# KiCad board SparkPNT_GPSDO_panelized.kicad_pcb (continued)
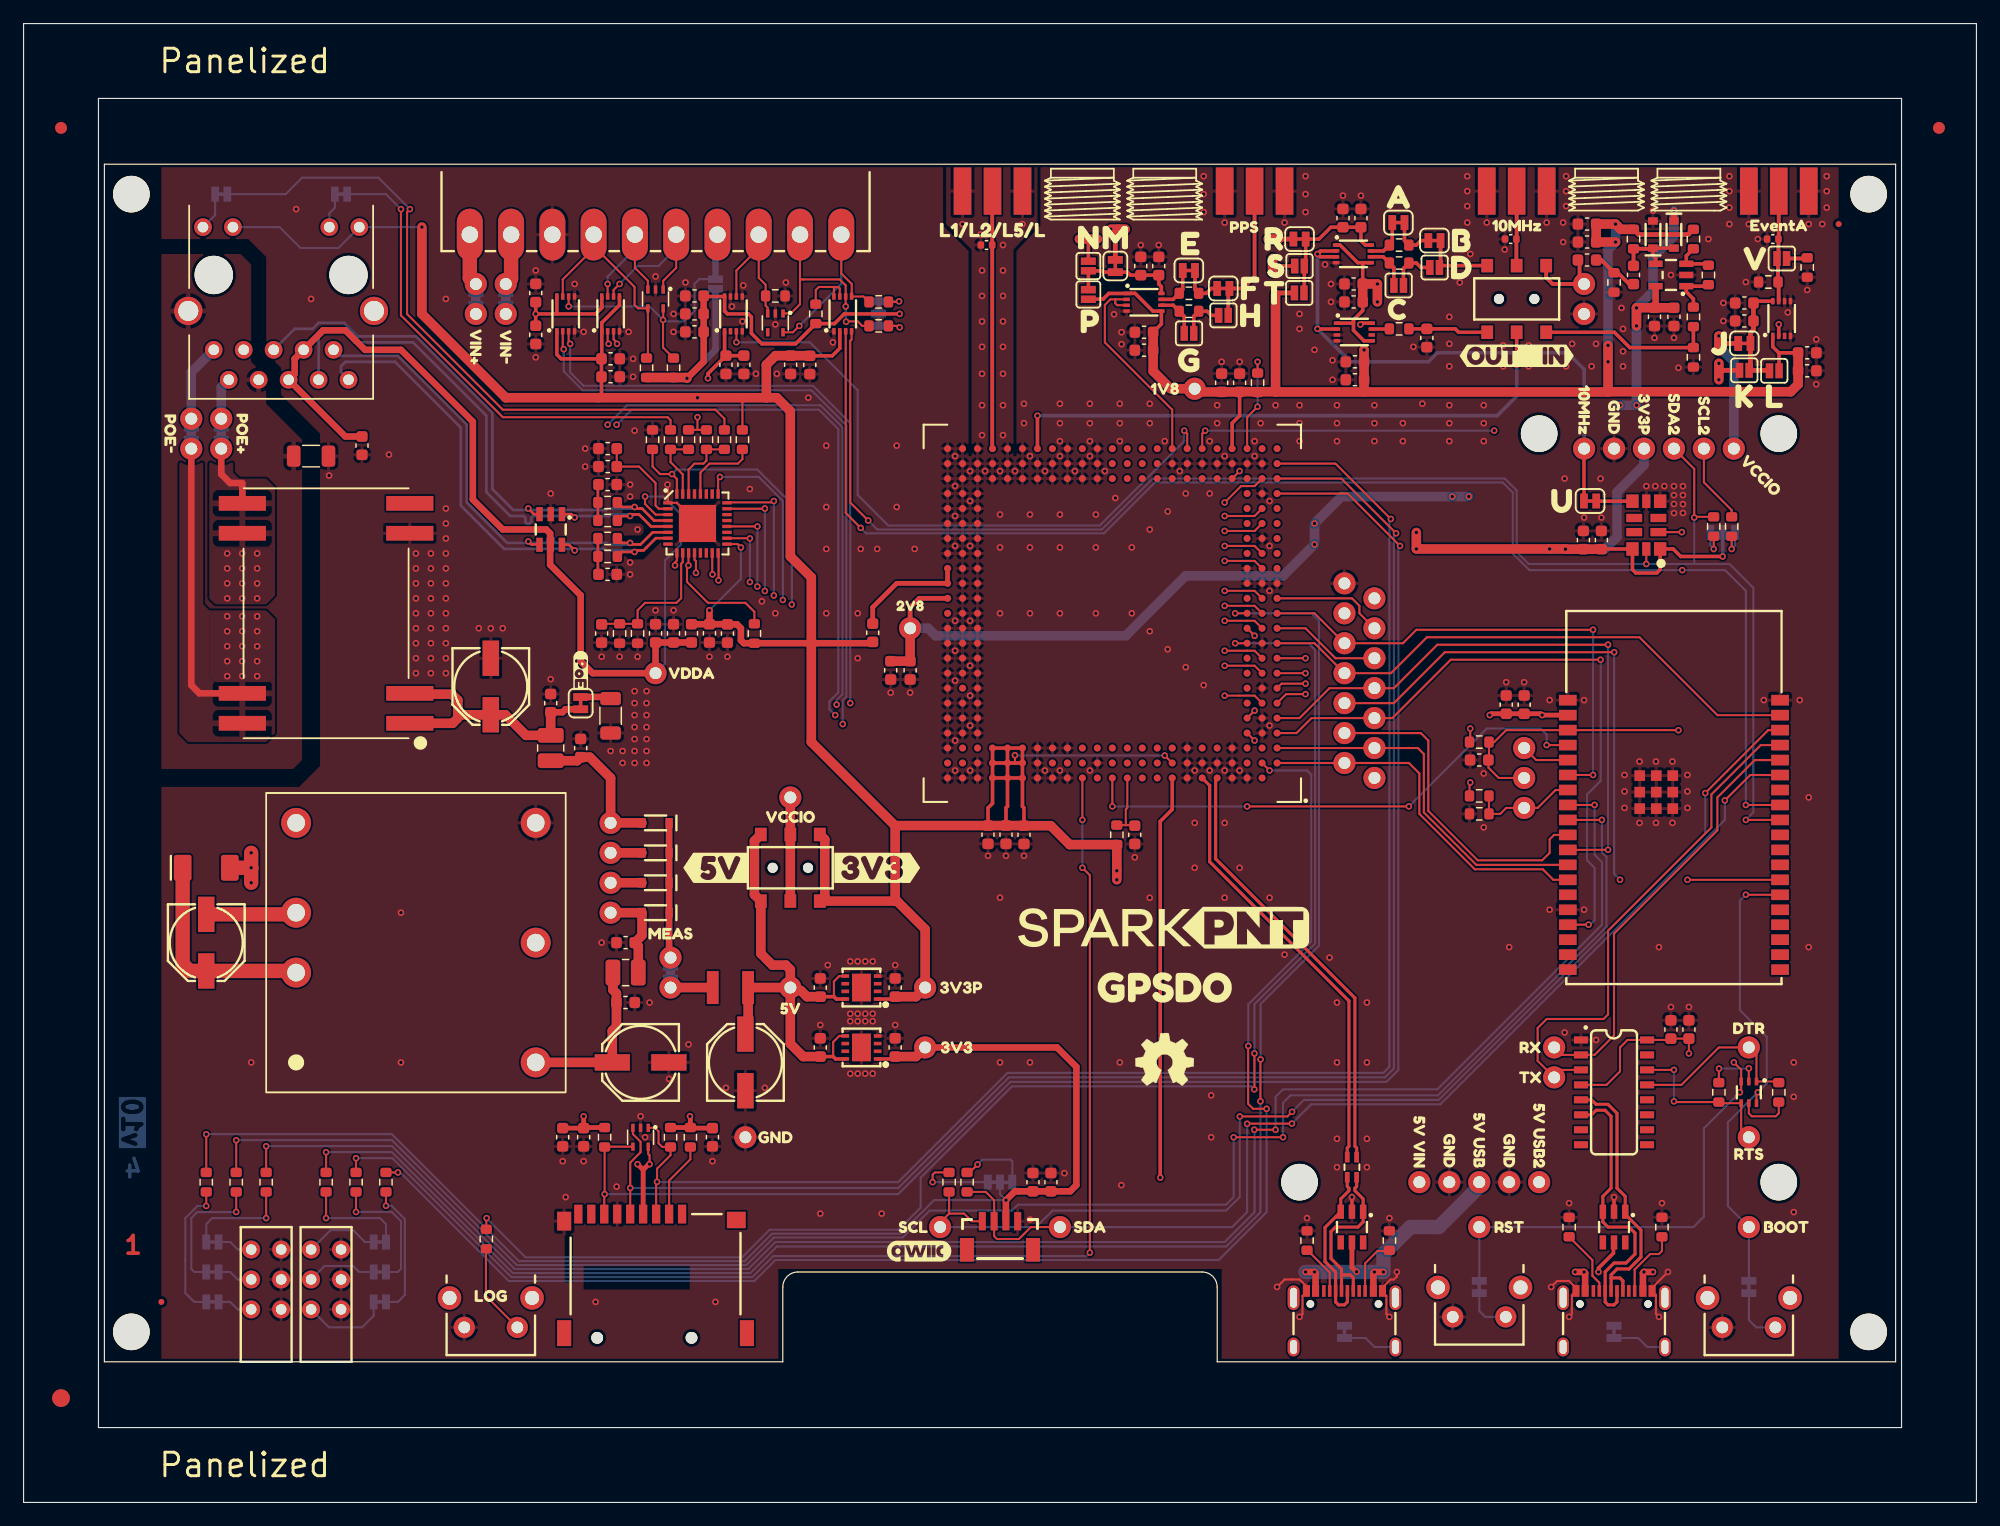
[diagram p0: board, top side]
## Placement (name value [footprint] x y rotation side) (continued)
NOREF  -  [Fiducial_1mm_Mask3mm]  162.43 116.61 0 top
NOREF#2  -  [Fiducial_1.5mm_Mask3mm]  3.17 8.85 0 top
NOREF#3  -  [Fiducial_1mm_Mask3mm]  3.17 116.61 0 top
NOREF#4  -  [Fiducial_1.5mm_Mask3mm]  3.17 8.85 0 bottom
NOREF#5  -  [Fiducial_1mm_Mask3mm]  3.17 116.61 0 bottom
NOREF#6  -  [Fiducial_1mm_Mask3mm]  162.43 116.61 0 bottom
P.1  ~  [Jumper_2_NO]  90.29 102.48 270 top
Q1  MBT3904DW1  [SOT-323]  146.3 34.79 270 top
R1  10k  [R_0603_1608Metric]  123.44 64.51 0 top
R2  10k  [R_0603_1608Metric]  148.84 34.79 90 top
R3  10k  [R_0603_1608Metric]  143.76 34.79 270 top
R4  2.2k  [R_0603_1608Metric]  80.01 27.17 90 top
R5  10k  [R_0603_1608Metric]  104.64 94.99 270 top
R6  2.2k  [R_0603_1608Metric]  78.48 27.17 90 top
R7  1k  [R_0603_1608Metric]  123.44 59.94 0 top
R8  1k  [R_0603_1608Metric]  123.44 58.41 180 top
R9  5.1k  [R_0603_1608Metric]  108.84 22.22 270 top
R10  5.1k  [R_0603_1608Metric]  115.82 22.22 270 top
R11  10k  [R_0603_1608Metric]  92.71 56.63 270 top
R12  470  [R_0603_1608Metric]  20.57 27.17 90 top
R13  470  [R_0603_1608Metric]  18.03 27.17 90 top
R14  5.1k  [R_0603_1608Metric]  138.93 23.36 270 top
R15  5.1k  [R_0603_1608Metric]  131.06 23.36 270 top
R16  100k  [R_0603_1608Metric]  55.11 96.26 90 top
R17  1k  [R_0603_1608Metric]  54.86 90.16 90 top
R18  1k  [R_0603_1608Metric]  59.43 90.16 90 top
R19  49.9  [R_0603_1608Metric]  49.53 80.26 0 top
R20  49.9  [R_0603_1608Metric]  49.53 81.78 0 top
R21  49.9  [R_0603_1608Metric]  49.53 84.83 180 top
R22  49.9  [R_0603_1608Metric]  49.53 83.3 180 top
R23  10k  [R_0603_1608Metric]  60.96 90.16 90 top
R24  10k  [R_0603_1608Metric]  53.34 90.16 90 top
R25  13k  [R_0603_1608Metric]  50.54 73.72 270 top
R26  13k  [R_0603_1608Metric]  52.07 73.72 270 top
R27  10k  [R_0603_1608Metric]  56.54 30.98 90 top
R28  10k  [R_0603_1608Metric]  54.86 30.98 90 top
R29  10k  [R_0603_1608Metric]  49.27 30.98 90 top
R30  33  [R_0603_1608Metric]  116.65 99.56 180 top
R31  2.2k  [R_0603_1608Metric]  143.32 82.79 90 top
R32  2.2k  [R_0603_1608Metric]  144.85 82.79 90 top
R33  4.7k  [R_0603_1608Metric]  61.97 73.72 90 top
R34  4.7k  [R_0603_1608Metric]  57.91 90.16 270 top
R35  4.7k  [R_0603_1608Metric]  56.38 90.16 270 top
R36  49.9  [R_1206_3216Metric]  49.78 66.73 90 top
R37  1k  [R_0603_1608Metric]  39.24 22.34 270 top
R38  470  [R_0603_1608Metric]  15.49 27.17 90 top
R39  470  [R_0603_1608Metric]  25.65 27.17 90 top
R40  470  [R_0603_1608Metric]  28.19 27.17 90 top
R41  100k  [R_0603_1608Metric]  52.83 96.26 90 top
R42  470  [R_0603_1608Metric]  30.73 27.17 90 top
R43  100k  [R_0603_1608Metric]  147.95 103.53 180 top
R44  100k  [R_0603_1608Metric]  63.75 102.35 0 top
R45  49.9  [R_0603_1608Metric]  98.82 102.58 180 top
R46  49.9  [R_0603_1608Metric]  116.65 106.67 180 top
R47  49.9  [R_0603_1608Metric]  151.25 104.77 90 top
R48  49.9  [R_0603_1608Metric]  98.82 101.05 180 top
R49  49.9  [R_0603_1608Metric]  116.65 105.15 180 top
R50  49.9  [R_0603_1608Metric]  134.87 103.5 90 top
R52  100k  [R_0603_1608Metric]  142.87 104.13 90 top
R53  200k  [R_0603_1608Metric]  67.18 100.83 270 top
R54  2.2k  [R_0603_1608Metric]  72.51 101.85 0 top
R55  2.2k  [R_0603_1608Metric]  72.51 99.81 0 top
R56  1k  [R_0603_1608Metric]  136.52 107.18 270 top
R57  1k  [R_0603_1608Metric]  141.6 107.18 270 top
R58  1k  [R_0603_1608Metric]  141.6 100.58 90 top
R59  1k  [R_0603_1608Metric]  141.6 97.15 90 top
R.1  ~  [Jumper_2_NC_Trace]  108.2 107.18 180 top
Ref**  Val**  [OSHW_Logo_5mm]  96.77 37.33 0 top
S.1  ~  [Jumper_2_NO]  108.2 104.89 180 top
ST1  -  [Standoff]  156.46 110.99 0 top
ST2  -  [Standoff]  9.14 110.99 0 top
ST3  -  [Standoff]  156.46 14.47 0 top
ST4  -  [Standoff]  9.14 14.47 0 top
ST5  -  [Standoff]  148.84 90.67 0 top
ST6  -  [Standoff]  128.52 90.67 0 top
ST7  -  [Standoff]  108.2 27.17 0 top
ST8  -  [Standoff]  148.84 27.17 0 top
SW1  PTH_RA_h7.5mm  [Push_PTH_RA_8-020_h7.5mm]  123.44 15.74 0 top
SW2  PTH_RA_h7.5mm  [Push_PTH_RA_8-020_h7.5mm]  146.3 14.85 0 top
SW3  PTH_RA_h7.5mm  [Push_PTH_RA_8-020_h7.5mm]  39.62 14.85 0 top
SW4  DPDT_Slide_SMD_7.2x3.5mm  [Slide_DPDT_SMD_7.2x3.5mm]  65.02 53.84 90 top
SW5  DPDT_Slide_SMD_7.2x3.5mm  [Slide_DPDT_SMD_7.2x3.5mm]  126.62 102.1 90 top
T.1  ~  [Jumper_2_NO]  108.17 102.61 180 top
TP1  PTH  [1x01]  127.25 61.46 0 top
TP2  PTH  [1x01]  49.78 50.03 0 top
TP3  PTH  [1x01]  49.78 57.65 0 top
TP4  PTH  [1x01]  65.02 43.68 0 top
TP5  PTH  [1x01]  76.45 38.6 180 top
TP6  PTH  [1x01]  61.21 30.98 0 top
TP7  PTH  [1x01]  76.45 43.68 0 top
TP8  PTH  [1x01]  49.78 55.11 0 top
TP9  PTH  [1x01]  49.78 52.57 0 top
TP10  PTH  [1x01]  112.01 65.27 0 top
TP11  PTH  [1x01]  112.01 67.81 0 top
TP12  PTH  [1x01]  112.01 62.73 0 top
TP13  PTH  [1x01]  114.55 66.54 0 top
TP14  PTH  [1x01]  114.55 64 0 top
TP15  PTH  [1x01]  114.55 69.08 0 top
TP16  PTH  [1x01]  112.01 70.35 0 top
TP17  PTH  [1x01]  112.01 72.89 0 top
TP18  PTH  [1x01]  114.55 71.62 0 top
TP19  PTH  [1x01]  114.55 74.16 0 top
TP20  PTH  [1x01]  114.55 76.7 0 top
TP21  PTH  [1x01]  112.01 75.43 0 top
TP22  PTH  [1x01]  99.31 94.48 0 top
TP23  PTH  [1x01]  53.59 70.35 0 top
TP24  PTH  [1x01]  127.25 58.92 0 top
TP25  PTH  [1x01]  77.72 23.36 0 top
TP26  PTH  [1x01]  87.88 23.36 0 top
TP27  PTH  [1x01]  142.49 89.4 0 top
TP28  PTH  [1x01]  139.95 89.4 0 top
TP29  PTH  [1x01]  114.55 61.46 0 top
TP30  PTH  [1x01]  112.01 77.97 0 top
TP31  PTH  [1x01]  137.41 89.4 0 top
TP32  PTH  [1x01]  134.87 89.4 0 top
TP33  PTH  [1x01]  132.33 89.4 0 top
TP34  PTH  [1x01]  129.79 38.6 0 top
TP35  PTH  [1x01]  129.79 36.06 90 top
TP36  PTH  [1x01]  146.3 23.36 0 top
TP37  PTH  [1x01]  123.44 23.36 0 top
TP38  PTH  [1x01]  146.3 38.6 0 top
TP39  PTH  [1x01]  146.3 30.98 0 top
TP40  PTH  [1x01]  65.02 59.81 0 top
TP41  PTH  [1x01]  75.18 74.16 0 top
TP42  PTH  [1x01]  132.33 103.37 0 top
TP43  PTH  [1x01]  127.25 64 0 top
TP44  PTH  [1x01]  132.33 100.83 0 top
TP45  PTH  [1x01]  118.36 27.17 0 top
TP46  PTH  [1x01]  123.44 27.17 0 top
TP47  PTH  [1x01]  128.52 27.17 0 top
TP48  PTH  [1x01]  145.03 89.4 0 top
TP49  PTH  [1x01]  125.98 27.17 0 top
TP50  PTH  [1x01]  120.9 27.17 0 top
TR1  -  [RFCMF1220100M4T]  112.65 28.44 90 top
U1  ESP32-WROVER-IE-N16R8  [ESP32-WROVER-E-IE]  139.95 60.26 90 top
U2  mosaic-T  [MOSAIC_LGA]  92.32 75.43 0 top
U3  CH340C  [SO-16]  134.87 34.79 0 top
U4  KSZ8041NL/I  [QFN-32]  57.15 83.05 0 top
U5  AP7361C-3.3V  [UDFN-8]  71.05 43.68 180 top
U6  REC15E-2405SZ  [REC15E]  33.27 47.49 0 top
U7  Ag9905M  [Ag9900M]  25.65 75.43 90 top
U8  74LVC2T45DC  [VSSOP8_SOT765-1]  49.78 100.83 90 top
U9  74LVC2T45DC  [VSSOP8_SOT765-1]  45.97 100.83 90 top
U10  74LVC2T45DC  [VSSOP8_SOT765-1]  149.08 100.44 90 top
U11  AP7361C-3.3V  [UDFN-8]  71.05 38.6 180 top
U12  74LVC2T45DC  [VSSOP8_SOT765-1]  60.19 100.83 90 top
U13  SiT5358AI-FS033IT-10.000000  [Ceramic_QFN_5.0x3.2mm-10]  137.61 82.92 90 top
U14  74LVC2T45DC  [VSSOP8_SOT765-1]  112.85 99.29 0 top
U15  74LVC2T45DC  [VSSOP8_SOT765-1]  112.77 105.92 0 top
U16  74LVC2T45DC  [VSSOP8_SOT765-1]  95.01 101.82 0 top
U17  LMV7219M5  [SOT23-5]  139.7 104.13 180 top
U18  PCA9306  [VSSOP8_SOT765-1]  69.47 100.83 90 top
U.1  ~  [Jumper_2_NC_Trace]  132.84 84.96 180 top
V.1  ~  [Jumper_2_NO]  149.09 105.53 180 top

## Library data of the parts
A.1 B.1 E.1 F.1 J.1 JP2-JP13 JP16-JP21 M.1 R.1 U.1 = -: Description: Solder Jumper, 2-pole, closed/bridged; ki_fp_filters: SolderJumper*Bridged*
C1 = -: Datasheet: https://cdn.sparkfun.com/assets/8/a/4/a/5/Kemet_Capacitor_Datasheet.pdf; Description: Unpolarized capacitor; PROD_ID: CAP-11015; Voltage: 6.3V; Tolerance: 20%; ki_fp_filters: C_*
C2 C3 C5 C10-C12 C14 C17 C19 C23 C26 C28 C40 C42 C44 C46 C48 C50 C51 C57 C60 C62 C63 C66-C70 C74 = -: Datasheet: https://cdn.sparkfun.com/assets/8/a/4/a/5/Kemet_Capacitor_Datasheet.pdf; Description: Unpolarized capacitor; PROD_ID: CAP-00810; Voltage: 25V; Tolerance: 20%; ki_fp_filters: C_*
C4 C13 C16 C18 C24 C31 C39 C41 C43 C45 C49 C52 C54 C56 C59 C61 C64 C65 C71-C73 = -: Datasheet: https://cdn.sparkfun.com/assets/8/a/4/a/5/Kemet_Capacitor_Datasheet.pdf; Description: Unpolarized capacitor; PROD_ID: CAP-07888; Voltage: 10V; Tolerance: 20%; ki_fp_filters: C_*
C6 C32 C36 = -: Datasheet: https://www.chemi-con.co.jp/products/relatedfiles/capacitor/catalog/MVARA-e.PDF; Description: Polarized capacitor, US symbol, 0.248" Dia x 0.303" H, Electrolitic; PROD_ID: CAP-12547; Voltage: 25V; Tolerance: 20%; ki_fp_filters: CP_*
C7 C8 C20-C22 = -: Datasheet: https://cdn.sparkfun.com/assets/8/a/4/a/5/Kemet_Capacitor_Datasheet.pdf; Description: Unpolarized capacitor; PROD_ID: CAP-13930; Voltage: 16V; Tolerance: 10%; ki_fp_filters: C_*
C9 = -: Datasheet: https://www.johansondielectrics.com/downloads/catalog/johanson-dielectrics-product-catalog.pdf; Description: Unpolarized capacitor; PROD_ID: CAP-16238; Voltage: 2kV; Tolerance: 10%; Temperature Coefficient: X7R; ki_fp_filters: C_*
C15 = -: Datasheet: https://cdn.sparkfun.com/assets/8/a/4/a/5/Kemet_Capacitor_Datasheet.pdf; Description: Unpolarized capacitor; PROD_ID: CAP-07883; Voltage: 50V; Tolerance: 10%; ki_fp_filters: C_*
C25 C27 C30 C33 C34 C37 C38 C47 C53 = -: Datasheet: https://cdn.sparkfun.com/assets/8/a/4/a/5/Kemet_Capacitor_Datasheet.pdf; Description: Unpolarized capacitor; PROD_ID: CAP-20155; Voltage: 10V; Tolerance: 20%; ki_fp_filters: C_*
C29 = -: Datasheet: https://cdn.sparkfun.com/assets/8/a/4/a/5/Kemet_Capacitor_Datasheet.pdf; Description: Unpolarized capacitor; PROD_ID: CAP-14464; Voltage: 6.3V; Tolerance: 20%; ki_fp_filters: C_*
C35 = -: Datasheet: https://www.chemi-con.co.jp/products/relatedfiles/capacitor/catalog/MVARA-e.PDF; Description: Polarized capacitor, US symbol, 0.248" Dia x 0.303" H, Electrolitic; PROD_ID: CAP-10547; Voltage: 50V; Tolerance: 20%; ki_fp_filters: CP_*
C55 = -: Datasheet: https://cdn.sparkfun.com/assets/8/a/4/a/5/Kemet_Capacitor_Datasheet.pdf; Description: Unpolarized capacitor; PROD_ID: CAP-10142; Voltage: 50V; Tolerance: 5%; ki_fp_filters: C_*
C75 C76 = -: Datasheet: https://cdn.sparkfun.com/assets/8/a/4/a/5/Kemet_Capacitor_Datasheet.pdf; Description: Unpolarized capacitor; PROD_ID: CAP-07886; Voltage: 50V; Tolerance: 10%; ki_fp_filters: C_*
C.1 D.1 G.1 H.1 JP15 K.1 L.1 N.1 P.1 S.1 T.1 V.1 = -: Description: Solder Jumper, 2-pole, open; ki_fp_filters: SolderJumper*Open*
D1 D15 D17 = -: Datasheet: https://www.littelfuse.com/~/media/electronics/product_specifications/polymer_esd_suppressors/littelfuse_polymer_esd_suppressor_pesd0402_140_product_specification.pdf.pdf; Description: Bidirectional transient-voltage-suppression diode; PROD_ID: DIO-15359; ki_fp_filters: TO-???* *_Diode_* *SingleDiode* D_*
D2 D3 D6 = -: Datasheet: https://www.diodes.com/assets/Datasheets/DT1042-04SO.pdf; Description: Very low capacitance ESD protection diode, 4 data-line, SOT-23-6; PROD_ID: IC-13538; ki_fp_filters: SOT?23*
D4 D5 D9 D10 = -: Datasheet: https://www.infineon.com/dgdl/bat60aseries.pdf?folderId=db3a304313d846880113def5812204a1&fileId=db3a304313d846880113def70c9304a9; Description: Schottky diode; PROD_ID: DIO-14072; IMax: 3A; VDrop: 0.28V; VMax: 10V; ki_fp_filters: TO-???* *_Diode_* *SingleDiode* D_*
D7 D13 D14 = -: Datasheet: https://toshiba.semicon-storage.com/info/DF5A5.6LFU_datasheet_en_20140301.pdf?did=22260&prodName=DF5A5.6LFU; Description: Low capacitance microSD unidirectional quadruple ESD protection diode array, 3.3V, Common Anode, SOT-353; PROD_ID: DIO-20454; ki_fp_filters: SOT?353*
D8 = -: Datasheet: https://www.smc-diodes.com/propdf/SK34A%20N0103%20REV.C.pdf; Description: Schottky diode; PROD_ID: DIO-14989; IMax: 3A; VDrop: 0.55V; VMax: 40V; ki_fp_filters: TO-???* *_Diode_* *SingleDiode* D_*
D11 D12 = -: Datasheet: https://www.mouser.com/datasheet/2/244/SSF-LXH340LYGID-1176757.pdf; Description: Triple CBI LED, 3mm dia., PTH, Yellow-Green-Red; PROD_ID: DIO-19990
D16 D18 = -: Datasheet: https://assets.nexperia.com/documents/data-sheet/BAS16J.pdf; Description: Diode; PROD_ID: DIO-09646; VMax: 100V; IRev: 0.5μA; ki_fp_filters: TO-???* *_Diode_* *SingleDiode* D_*
F1 = -: Datasheet: https://www.belfuse.com/resources/datasheets/circuitprotection/ds-cp-0zch-series.pdf; Description: Resettable fuse 2A; PROD_ID: RES-14313; ki_fp_filters: *polyfuse* *PTC*
FID1-FID4 = -: Description: Fiducial Marker; ki_fp_filters: Fiducial*
J1 J3 J8 J12 = -: Datasheet: https://www.sparkfun.com/datasheets/Wireless/Antenna/SMA-Connector.pdf; Description: SMA PCB Edge Mount connector; PROD_ID: CONN-08289; ki_fp_filters: *BNC* *SMA* *SMB* *SMC* *Cinch* *LEMO*
J2 J4 = -: Datasheet: https://www.usb.org/sites/default/files/documents/usb_type-c.zip; Description: USB 2.0-only Type-C Receptacle connector; PROD_ID: CONN-14122; ki_fp_filters: USB*C*Receptacle*
J5 = -: Datasheet: https://cdn.sparkfun.com/assets/b/f/e/c/e/LPJ0284GDNL.pdf; Description: Ethernet RJ45 with magnetics and Power-over-Ethernet; PROD_ID: CONN-16253
J6 = -: Datasheet: https://cdn.sparkfun.com/assets/a/d/6/0/8/microSD_Datasheet_msd-1-a.pdf; Description: Micro SD socket External Pin; PROD_ID: CONN-16110; ki_fp_filters: microSD*
J7 = -: Datasheet: https://www.jst-mfg.com/product/pdf/eng/eSH.pdf; Description: 4 pin JST 1mm polarized connector for I2C; PROD_ID: CONN-14483; ki_fp_filters: Connector*:*_1x??_*
J9 = -: Datasheet: https://cdn.sparkfun.com/assets/b/9/7/3/6/19854.pdf; Description: Screw cage terminal, single row; PROD_ID: CONN-17279; ki_fp_filters: TerminalBlock*:*
JP1 JP14 JP22 = -: Description: Solder Jumper, 3-pole, pins 1+2+3 closed/bridged; ki_fp_filters: SolderJumper*Bridged123*
L1 L2 = -: Datasheet: http://www.murata.com/en-global/api/pdfdownloadapi?cate=luNoiseSupprFilteChipFerriBead&partno=BLM18PG471SN1%23; Description: Inductor; PROD_ID: NDUC-12579; Frequency: 100MHz; ki_fp_filters: Choke_* *Coil* Inductor_* L_*
L3 L4 = -: Datasheet: https://mm.digikey.com/Volume0/opasdata/d220001/medias/docus/38/CIGW252010EH4R7MNE_Spec.pdf; Description: Inductor; PROD_ID: NDUC-14880; Current: 1.4A; ki_fp_filters: Choke_* *Coil* Inductor_* L_*
Q1 = -: Datasheet: https://assets.nexperia.com/documents/data-sheet/BC846BS.pdf; Description: 100mA IC, 65V Vce, Dual NPN/NPN Transistors, SOT-363; PROD_ID: TRANS-13337; ki_fp_filters: SOT?363*
R1-R3 R5 R11 R23 R24 R27-R29 = -: Datasheet: https://www.vishay.com/docs/20035/dcrcwe3.pdf; Description: Resistor; PROD_ID: RES-00824; ki_fp_filters: R_*
R4 R6 R31 R32 R54 R55 = -: Datasheet: https://www.vishay.com/docs/20035/dcrcwe3.pdf; Description: Resistor; PROD_ID: RES-08272; ki_fp_filters: R_*
R7 R8 R17 R18 R37 R56-R59 = -: Datasheet: https://www.vishay.com/docs/20035/dcrcwe3.pdf; Description: Resistor; PROD_ID: RES-07856; ki_fp_filters: R_*
R9 R10 R14 R15 = -: Datasheet: https://www.vishay.com/docs/20035/dcrcwe3.pdf; Description: Resistor; PROD_ID: RES-12083; ki_fp_filters: R_*
R12 R13 R38-R40 R42 = -: Datasheet: https://www.vishay.com/docs/20035/dcrcwe3.pdf; Description: Resistor; PROD_ID: RES-07869; ki_fp_filters: R_*
R16 R41 R43 R44 R52 = -: Datasheet: https://www.vishay.com/docs/20035/dcrcwe3.pdf; Description: Resistor; PROD_ID: RES-07828; ki_fp_filters: R_*
R19-R22 R45-R50 = -: Datasheet: https://www.vishay.com/docs/20035/dcrcwe3.pdf; Description: Resistor; PROD_ID: RES-16237; Wattage: 0.5W; Tolerance: 1%; ki_fp_filters: R_*
R25 R26 = -: Datasheet: https://www.vishay.com/docs/20035/dcrcwe3.pdf; Description: Resistor; PROD_ID: RES-14017; ki_fp_filters: R_*
R30 = -: Datasheet: https://www.vishay.com/docs/20035/dcrcwe3.pdf; Description: Resistor; PROD_ID: RES-08270; ki_fp_filters: R_*
R33-R35 = -: Datasheet: https://www.vishay.com/docs/20035/dcrcwe3.pdf; Description: Resistor; PROD_ID: RES-07857; ki_fp_filters: R_*
R36 = -: Datasheet: https://www.seielect.com/catalog/sei-rncp.pdf; Description: Resistor; PROD_ID: RES-16252; Wattage: 0.5W; Tolerance: 1%; ki_fp_filters: R_*
R53 = -: Datasheet: https://www.vishay.com/docs/20035/dcrcwe3.pdf; Description: Resistor; PROD_ID: RES-09385; ki_fp_filters: R_*
ST1-ST8 = -: Description: Drill holes for mechanically mounting via screws, standoffs, etc.; ki_fp_filters: Fiducial*
SW1-SW3 = -: Description: Single Pole Single Throw (SPST) switch; PROD_ID: SWCH-13896; Mfg Part#: 8-020 TS H = 7.5mm
SW4 SW5 = -: Datasheet: https://www.sparkfun.com/datasheets/Components/SW_slide_ayz.pdf; Description: Switch dual pole double throw; PROD_ID: SWCH-08179; Mfg Part#: ABC; ki_fp_filters: SW*DPDT*
TP1-TP50 = -: Description: Test Point; ki_fp_filters: Pin* Test*
TR1 = -: Datasheet: http://www.passivecomponent.com/wp-content/uploads/2018/10/RF-Filter.pdf; Description: USB Transformer; PROD_ID: COMP-19495
U1 = -: Datasheet: https://www.espressif.com/sites/default/files/documentation/esp32-wrover-e_esp32-wrover-ie_datasheet_en.pdf; PROD_ID: IC-19265; ki_fp_filters: ESP32?WROOM?32*
U2 = -: Datasheet: https://docs.sparkfun.com/SparkFun_RTK_mosaic-X5/assets/component_documentation/Mosaic%20Hardware%20Manual_v1.8.0.pdf; Description: Tri-band GNSS receiver; PROD_ID: GPS-22762
U3 = -: Datasheet: https://datasheet.lcsc.com/szlcsc/Jiangsu-Qin-Heng-CH340C_C84681.pdf; Description: USB serial converter, UART, SOIC-16; PROD_ID: IC-14038; ki_fp_filters: SOIC*3.9x9.9mm*P1.27mm*
U4 = -: Datasheet: https://ww1.microchip.com/downloads/aemDocuments/documents/UNG/ProductDocuments/DataSheets/KSZ8041NL-RNL-Data-Sheet-DS00002245.pdf; Description: The KSZ8041NL is a single supply 10BASE-T/100BASE-TX physical layer transceiver, which provides MII/RMII interfaces to transmit and receive data.; PROD_ID: IC-19428
U5 U11 = -: Datasheet: https://www.diodes.com/assets/Datasheets/AP7361C.pdf; Description: 1A low dropout linear regulator, with enable pin, 2.2-6.0V input, 3.3V output, UDFN-8; PROD_ID: VREG-14094; VMax: 6V; Ityp: 1.0A; Imax: 1.5A; Iq: 60µA; ki_fp_filters: SOT?23?5*
U6 = -: Datasheet: https://g.recomcdn.com/media/Datasheet/pdf/.fX2aue-W/.tb5cc79728e7bdacded41/Datasheet-81/REC15E-Z.pdf; Description: The REC15E-Z series are 4:1 wide input voltage range 15W power DC/DC converters in a 1”x1” case. Despite their low cost, the converters are fully specified devices with output currents up to 4 Amps,no minimum load, 1.6kVDC isolation, high efficiency and low ripple/noise figures.; Input Voltage (VDC): 9-36; Output Voltage (VDC): 5; Output Current (mA): 3000; PROD_ID: COMP-19263
U7 = -: Datasheet: https://cdn.sparkfun.com/assets/6/9/b/9/7/Ag9900M-datasheet-ultra-miniature-isolated-Power-over-Ethernet-POE-module.pdf; Description: The Ag9900 Power-over-Ethernet (PoE) modules are the smallest POE solution in the world and designed to extract power from a conventional twisted pair Category 5 Ethernet cable, conforming to the IEEE 802.3af PoE standard.; Input Voltage (VDC): 36-57; Output Voltage (VDC): 5; Output Current (mA): 1800; Minimum Load (mA): 200; PROD_ID: IC-16251
U8-U10 U12 U14-U16 = -: Datasheet: https://assets.nexperia.com/documents/data-sheet/74LVC_LVCH2T45.pdf; Description: Dual supply translating transceiver, 3-state, 2-bit, VSSOP-8; PROD_ID: IC-19989; DIR1: A <= B : DIR = GND; DIR2: A => B : DIR = VCCA; ki_fp_filters: VSSOP*2.3x2mm*P0.5mm*
U13 = -: Datasheet: https://www.sitime.com/support/resource-library/datasheets/sit5358-datasheet; Description: The SiT5358 is a precision MEMS Super-TCXO optimized for ±50 ppb stability from -40°C to 105°C.; PROD_ID: XTAL-22764
U17 = -: Datasheet: https://www.ti.com/lit/ds/symlink/lmv7219.pdf; Description: Single Low-Power High-Speed Push-Pull Output Comparator, SOT-23-5; PROD_ID: IC-23719; ki_fp_filters: SOT?23*
U18 = -: Datasheet: http://www.ti.com/lit/ds/symlink/pca9306.pdf; Description: Dual bidirectional I2C Bus and SMBus voltage level translator; PROD_ID: IC-14450; ki_fp_filters: SSOP*2.95x2.8mm*P0.65mm* VSSOP*2.3x2mm*P0.5mm* X2SON*1.4x1mm*P0.35mm*

## Footprints (pads in the part's own frame, mm; a bottom-side part is the same pattern mirrored in y, then rotated)
1x01
  round 1.88 hole 1.016: 1(0,0)
1008_2520Metric
  rrect 1.25x2.2 smd: 1(-1.075,0) 2(1.075,0)
1210
  rect 1x2.8 smd: 1(-1.5,0) 2(1.5,0)
Ag9900M
  rect 1.25x4 smd: 1(-9.33,-7.1) 2(-6.79,-7.1) 3(6.79,-7.1) 4(9.33,-7.1) 5(9.33,7.1) 6(6.79,7.1) 7(-6.79,7.1) 8(-9.33,7.1)
C_0402_1005Metric
  rrect 0.56x0.62 smd: 1(-0.48,0) 2(0.48,0)
C_0603_1608Metric
  rrect 0.9x0.95 smd: 1(-0.775,0) 2(0.775,0)
C_1206_3216Metric
  rrect 1.15x1.8 smd: 1(-1.475,0) 2(1.475,0)
CBI_LED_Triple_3mm_PTH
  round 1.524 hole 0.889: ANODE_1(-1.27,9.525) ANODE_2(-1.27,6.985) ANODE_3(-1.27,4.445) CATHODE_1(1.27,9.525) CATHODE_2(1.27,6.985) CATHODE_3(1.27,4.445)
Ceramic_QFN_5.0x3.2mm-10
  rect 1.15x1.05 smd: 1(-2.025,-1.175) 4(2.025,-1.175) 6(2.025,1.175) 9(-2.025,1.175)
  rect 0.7x1.35 smd: 2(-0.6,-1.025) 3(0.6,-1.025) 7(0.6,1.025) 8(-0.6,1.025)
  rect 1.15x0.7 smd: 5(2.025,0) 10(-2.025,0)
ESP32-WROVER-E-IE
  rect 0.9x1.5 smd: 1(7.8,9) 2(6.53,9) 3(5.26,9) 4(3.99,9) 5(2.72,9) 6(1.45,9) 7(0.18,9) 8(-1.09,9) 9(-2.36,9) 10(-3.63,9) 11(-4.9,9) 12(-6.17,9) 13(-7.44,9) 14(-8.71,9) 15(-9.98,9) 16(-11.25,9) 17(-12.52,9) 18(-13.79,9) 19(-15.06,9) 20(-15.06,-9) 21(-13.79,-9) 22(-12.52,-9) 23(-11.25,-9) 24(-9.98,-9) 25(-8.71,-9) 26(-7.44,-9) 27(-6.17,-9) 28(-4.9,-9) 29(-3.63,-9) 30(-2.36,-9) 31(-1.09,-9) 32(0.18,-9) 33(1.45,-9) 34(2.72,-9) 35(3.99,-9) 36(5.26,-9) 37(6.53,-9) 38(7.8,-9)
  rect 0.9x0.9 smd: 39.1(1.4,2.9) 39.2(0,2.9) 39.3(-1.4,2.9) 39.4(-1.4,1.5) 39.5(-1.4,0.1) 39.6(0,0.1) 39.7(1.4,0.1) 39.8(1.4,1.5) 39.9(0,1.5)
Fiducial_0.5mm_Mask1mm
  round 0.5 smd: (0,0)
Fiducial_1.5mm_Mask3mm
  round 1.5 smd: (0,0)
Fiducial_1mm_Mask3mm
  round 1 smd: (0,0)
JST_SMD_1.0mm-4_Vertical
  rect 0.6x1.55 smd: 1(-1.5,-1.511) 2(-0.5,-1.511) 3(0.5,-1.511) 4(1.5,-1.511)
  rect 1.2x2 smd: NC1(-2.8,0.914) NC2(2.8,0.914)
Jumper_2_NC_Trace
  rect 0.66x1.27 smd: 1(-0.521,0) 2(0.521,0)
Jumper_2_NO
  rect 0.635x1.27 smd: 1(-0.406,0) 2(0.406,0)
Jumper_2_PTH_SMD_Combo-NC
  round 1.88 hole 1.016: 1(-1.27,0) 2(1.27,0)
  rect 0.635x1.27 smd: 1(-0.508,0) 2(0.508,0)
Jumper_3_NC-2_Trace
  rect 0.66x1.27 smd: 1(-1.041,0) 2(0,0) 3(1.041,0)
MagJack_PoE_RJ45
  round 3.25 hole 3.25 unplated: (-5.715,0) (5.715,0)
  round 1.5 hole 0.9: 1(-5.715,8.89) 2(-4.445,6.35) 3(-3.175,8.89) 4(-1.905,6.35) 5(-0.635,8.89) 6(0.635,6.35) 7(1.905,8.89) 8(3.175,6.35) 9(4.445,8.89) 10(5.715,6.35) 11(-6.63,-4.06) 12(-4.09,-4.06) 13(4.09,-4.06) 14(6.63,-4.06)
  round 2.4 hole 1.7: S1(-7.875,3.05) S2(7.875,3.05)
microSD_External_Pin
  round 1 hole 1 unplated: (-4.95,0) (3.05,0)
  rect 0.7x1.6 smd: 1(2.25,10.5) 2(1.15,10.5) 3(0.05,10.5) 4(-1.05,10.5) 5(-2.15,10.5) 6(-3.25,10.5) 7(-4.35,10.5) 8(-5.45,10.5) 9(-6.55,10.5)
  rect 1.2x1.6 smd: 10(-7.75,9.9)
  rect 1.2x2.2 smd: 11(-7.75,0.4) 12(7.75,0.4)
  rect 1.6x1.4 smd: 13(6.85,10)
MOSAIC_LGA
  rrect 0.6x0.6 smd: A2(12.7,-13.97) A3(11.43,-13.97) A4(10.16,-13.97) A5(8.89,-13.97) A6(7.62,-13.97) A7(6.35,-13.97) A8(5.08,-13.97) A9(3.81,-13.97) A10(2.54,-13.97) A11(1.27,-13.97) A12(0,-13.97) A13(-1.27,-13.97) A14(-2.54,-13.97) A15(-3.81,-13.97) A16(-5.08,-13.97) A17(-6.35,-13.97) A18(-7.62,-13.97) A19(-8.89,-13.97) A20(-10.16,-13.97) A21(-11.43,-13.97) A22(-12.7,-13.97) A23(-13.97,-13.97) AA1(13.97,11.43) AA2(12.7,11.43) AA3(11.43,11.43) AA4(10.16,11.43) AA5(8.89,11.43) AA6(7.62,11.43) AA7(6.35,11.43) AA8(5.08,11.43) AA9(3.81,11.43) AA10(2.54,11.43) AA11(1.27,11.43) AA12(0,11.43) AA13(-1.27,11.43) AA14(-2.54,11.43) AA15(-3.81,11.43) AA16(-5.08,11.43) AA17(-6.35,11.43) AA18(-7.62,11.43) AA19(-8.89,11.43) AA20(-10.16,11.43) AA21(-11.43,11.43) AA22(-12.7,11.43) AA23(-13.97,11.43) AB1(13.97,12.7) AB2(12.7,12.7) AB3(11.43,12.7) AB4(10.16,12.7) AB5(8.89,12.7) AB6(7.62,12.7) AB7(6.35,12.7) AB8(5.08,12.7) AB9(3.81,12.7) AB10(2.54,12.7) AB11(1.27,12.7) AB12(0,12.7) AB13(-1.27,12.7) AB14(-2.54,12.7) AB15(-3.81,12.7) AB16(-5.08,12.7) AB17(-6.35,12.7) AB18(-7.62,12.7) AB19(-8.89,12.7) AB20(-10.16,12.7) AB21(-11.43,12.7) AB22(-12.7,12.7) AB23(-13.97,12.7) AC1(13.97,13.97) AC2(12.7,13.97) AC3(11.43,13.97) AC4(10.16,13.97) AC5(8.89,13.97) AC6(7.62,13.97) AC7(6.35,13.97) AC8(5.08,13.97) AC9(3.81,13.97) AC10(2.54,13.97) AC11(1.27,13.97) AC12(0,13.97) AC13(-1.27,13.97) AC14(-2.54,13.97) AC15(-3.81,13.97) AC16(-5.08,13.97) AC17(-6.35,13.97) AC18(-7.62,13.97) AC19(-8.89,13.97) AC20(-10.16,13.97) AC21(-11.43,13.97) AC22(-12.7,13.97) AC23(-13.97,13.97) B1(13.97,-12.7) B2(12.7,-12.7) B3(11.43,-12.7) B4(10.16,-12.7) B5(8.89,-12.7) B6(7.62,-12.7) B7(6.35,-12.7) B8(5.08,-12.7) B9(3.81,-12.7) B10(2.54,-12.7) B11(1.27,-12.7) B12(0,-12.7) B13(-1.27,-12.7) B14(-2.54,-12.7) B15(-3.81,-12.7) B16(-5.08,-12.7) B17(-6.35,-12.7) B18(-7.62,-12.7) B19(-8.89,-12.7) B20(-10.16,-12.7) B21(-11.43,-12.7) B22(-12.7,-12.7) B23(-13.97,-12.7) C1(13.97,-11.43) C2(12.7,-11.43) C3(11.43,-11.43) C4(10.16,-11.43) C5(8.89,-11.43) C6(7.62,-11.43) C7(6.35,-11.43) C8(5.08,-11.43) C9(3.81,-11.43) C10(2.54,-11.43) C11(1.27,-11.43) C12(0,-11.43) C13(-1.27,-11.43) C14(-2.54,-11.43) C15(-3.81,-11.43) C16(-5.08,-11.43) C17(-6.35,-11.43) C18(-7.62,-11.43) C19(-8.89,-11.43) C20(-10.16,-11.43) C21(-11.43,-11.43) C22(-12.7,-11.43) C23(-13.97,-11.43) D1(13.97,-10.16) D2(12.7,-10.16) D3(11.43,-10.16) D21(-11.43,-10.16) D22(-12.7,-10.16) D23(-13.97,-10.16) E1(13.97,-8.89) E2(12.7,-8.89) E3(11.43,-8.89) E21(-11.43,-8.89) E22(-12.7,-8.89) E23(-13.97,-8.89) F1(13.97,-7.62) F2(12.7,-7.62) F3(11.43,-7.62) F21(-11.43,-7.62) F22(-12.7,-7.62) F23(-13.97,-7.62) G1(13.97,-6.35) G2(12.7,-6.35) G3(11.43,-6.35) G21(-11.43,-6.35) G22(-12.7,-6.35) G23(-13.97,-6.35) H1(13.97,-5.08) H2(12.7,-5.08) H3(11.43,-5.08) H21(-11.43,-5.08) H22(-12.7,-5.08) H23(-13.97,-5.08) J1(13.97,-3.81) J2(12.7,-3.81) J3(11.43,-3.81) J21(-11.43,-3.81) J22(-12.7,-3.81) J23(-13.97,-3.81) K1(13.97,-2.54) K2(12.7,-2.54) K3(11.43,-2.54) K21(-11.43,-2.54) K22(-12.7,-2.54) K23(-13.97,-2.54) L1(13.97,-1.27) L2(12.7,-1.27) L3(11.43,-1.27) L21(-11.43,-1.27) L22(-12.7,-1.27) L23(-13.97,-1.27) M1(13.97,0) M2(12.7,0) M3(11.43,0) M21(-11.43,0) M22(-12.7,0) M23(-13.97,0) N1(13.97,1.27) N2(12.7,1.27) N3(11.43,1.27) N21(-11.43,1.27) N22(-12.7,1.27) N23(-13.97,1.27) P1(13.97,2.54) P2(12.7,2.54) P3(11.43,2.54) P21(-11.43,2.54) P22(-12.7,2.54) P23(-13.97,2.54) R1(13.97,3.81) R2(12.7,3.81) R3(11.43,3.81) R21(-11.43,3.81) R22(-12.7,3.81) R23(-13.97,3.81) T1(13.97,5.08) T2(12.7,5.08) T3(11.43,5.08) T21(-11.43,5.08) T22(-12.7,5.08) T23(-13.97,5.08) U1(13.97,6.35) U2(12.7,6.35) U3(11.43,6.35) U21(-11.43,6.35) U22(-12.7,6.35) U23(-13.97,6.35) V1(13.97,7.62) V2(12.7,7.62) V3(11.43,7.62) V21(-11.43,7.62) V22(-12.7,7.62) V23(-13.97,7.62) W1(13.97,8.89) W2(12.7,8.89) W3(11.43,8.89) W21(-11.43,8.89) W22(-12.7,8.89) W23(-13.97,8.89) Y1(13.97,10.16) Y2(12.7,10.16) Y3(11.43,10.16) Y21(-11.43,10.16) Y22(-12.7,10.16) Y23(-13.97,10.16)
Panasonic_D
  rect 3x1.4 smd: 1(2.4,0) 2(-2.4,0)
Push_PTH_RA_8-020_h7.5mm
  round 1.8 hole 1: 1(-2.25,0) 2(2.25,0)
  round 2 hole 1.2: M1(-3.5,2.5) M2(3.5,2.5)
QFN-32
  rect 0.8x0.285 smd: 1(-2.5,1.75) 2(-2.5,1.25) 3(-2.5,0.75) 4(-2.5,0.25) 5(-2.5,-0.25) 6(-2.5,-0.75) 7(-2.5,-1.25) 8(-2.5,-1.75) 17(2.5,-1.75) 18(2.5,-1.25) 19(2.5,-0.75) 20(2.5,-0.25) 21(2.5,0.25) 22(2.5,0.75) 23(2.5,1.25) 24(2.5,1.75)
  rect 0.285x0.8 smd: 9(-1.75,-2.5) 10(-1.25,-2.5) 11(-0.75,-2.5) 12(-0.25,-2.5) 13(0.25,-2.5) 14(0.75,-2.5) 15(1.25,-2.5) 16(1.75,-2.5) 25(1.75,2.5) 26(1.25,2.5) 27(0.75,2.5) 28(0.25,2.5) 29(-0.25,2.5) 30(-0.75,2.5) 31(-1.25,2.5) 32(-1.75,2.5)
  rect 3.15x3.15 smd: EP(0,0)
R_0603_1608Metric
  rrect 0.8x0.95 smd: 1(-0.825,0) 2(0.825,0)
R_1206_3216Metric
  rrect 1.125x1.75 smd: 1(-1.462,0) 2(1.462,0)
REC15E
  round 2.54 hole 1.499: 1(-10.16,-2.54) 2(-10.16,2.54) 3(-10.16,10.16) 4(10.16,10.16) 5(10.16,0) 6(10.16,-10.16)
RFCMF1220100M4T
  rect 0.9x0.4 smd: 1(-0.85,0.4) 2(0.85,0.4) 3(-0.85,-0.4) 4(0.85,-0.4)
Screw_Cage_3.5mm-10
  oval 2.2x4.4 hole 1.4: 1(-15.75,2.8) 2(-12.25,2.8) 3(-8.75,2.8) 4(-5.25,2.8) 5(-1.75,2.8) 6(1.75,2.8) 7(5.25,2.8) 8(8.75,2.8) 9(12.25,2.8) 10(15.75,2.8)
Slide_DPDT_SMD_7.2x3.5mm
  round 0.85 hole 0.85 unplated: (0,1.5) (0,-1.5)
  rect 1.15x1 smd: 1(-2.825,-2.5) 2(-2.825,0) 3(-2.825,2.5) 4(2.825,-2.5) 5(2.825,0) 6(2.825,2.5)
SMA
  rrect 1.5x2.2 smd: A(2,0) C(-2,0)
SMA_Edge
  rect 1.5x4 smd: 1(0,0) 2(-2.54,0) 2(2.54,0)
  rect 1.5x4 smd far side: 2(-2.54,0) 2(2.54,0)
SO-16
  rect 1.2x0.6 smd: 1(-2.8,4.445) 2(-2.8,3.175) 3(-2.8,1.905) 4(-2.8,0.635) 5(-2.8,-0.635) 6(-2.8,-1.905) 7(-2.8,-3.175) 8(-2.8,-4.445) 9(2.8,-4.445) 10(2.8,-3.175) 11(2.8,-1.905) 12(2.8,-0.635) 13(2.8,0.635) 14(2.8,1.905) 15(2.8,3.175) 16(2.8,4.445)
SOD-323
  rect 0.63x0.83 smd: A(1.15,0) C(-1.15,0)
SOT23-5
  rect 1.2x0.55 smd: 1(-1.3,0.95) 2(-1.3,0) 3(-1.3,-0.95) 4(1.3,-0.95) 5(1.3,0.95)
SOT23-6
  rect 1.2x0.55 smd: 1(-1.3,0.95) 2(-1.3,0) 3(-1.3,-0.95) 4(1.3,-0.95) 5(1.3,0) 6(1.3,0.95)
SOT-323
  rect 0.66x0.3 smd: 1(-0.92,0.65) 2(-0.92,0) 3(-0.92,-0.65) 4(0.92,-0.65) 5(0.92,0) 6(0.92,0.65)
SOT-353
  rect 0.7x0.3 smd: 1(-0.8,0.65) 2(-0.8,0) 3(-0.8,-0.65) 4(0.8,-0.65) 5(0.8,0.65)
Standoff
  round 3.1 hole 3.1 unplated: (0,0)
UDFN-8
  rect 0.65x0.3 smd: 1(-1.375,0.975) 2(-1.375,0.325) 3(-1.375,-0.325) 4(-1.375,-0.975) 5(1.375,-0.975) 6(1.375,-0.325) 7(1.375,0.325) 8(1.375,0.975)
  rect 1.6x2.35 smd: 9(0,0)
USB-C_16
  round 0.65 hole 0.65 unplated: (-2.89,-1.445) (2.89,-1.445)
  rect 0.3x1 smd: A5(-1.25,-0.34) A6(-0.25,-0.34) A7(0.25,-0.34) A8(1.25,-0.34) B5(1.75,-0.34) B6(0.75,-0.34) B7(-0.75,-0.34) B8(-1.75,-0.34)
  rect 0.6x1 smd: GND(-3.225,-0.34) GND(3.225,-0.34) VBUS(-2.45,-0.34) VBUS(2.45,-0.34)
  oval 1x1.6 hole 0.6x1.2: NC1(-4.318,-5.095) S(4.318,-5.095)
  oval 1x2.1 hole 0.6x1.7: NC2(-4.318,-0.915) NC3(4.318,-0.915)
VSSOP8_SOT765-1
  rrect 0.55x0.3 smd: 1(-1.475,0.75) 2(-1.475,0.25) 3(-1.475,-0.25) 4(-1.475,-0.75) 5(1.475,-0.75) 6(1.475,-0.25) 7(1.475,0.25) 8(1.475,0.75)

## Nets
1.8V: C18.1 C19.1 C43.1 C44.1 C52.1 C59.1 C62.1 C64.1 C66.1 C68.1 C69.1 C72.1 L.1.2 P.1.2 R5.2 R56.1 R57.1 T.1.2 TP22.1 U2.AC4 U10.1 U12.1 U14.8 U16.1 U16.5
2.8V: C70.1 C71.1 C73.1 C74.1 D16.C K.1.2 N.1.2 S.1.2 TP41.1 U2.N23 U17.5
3.3V: C1.1 C2.1 C4.1 C5.1 C22.1 C54.1 C60.1 J7.2 JP1.2 R1.1 R7.1 R38.2 TP5.1 U1.2 U3.4 U3.16 U11.1
3.3V_P: C16.1 C17.1 C21.1 C23.1 C24.1 C25.1 C28.1 C29.1 C30.1 C31.1 C39.1 C40.1 C47.1 C48.1 C50.1 C56.1 C57.1 D7.5 J5.11 J5.13 J6.4 JP14.2 L1.1 L2.2 R11.2 R23.2 R27.2 R28.2 R29.2 R33.1 R34.1 R35.1 SW4.1 SW4.4 TP7.1 TP29.1 TP31.1 U2.A18 U2.A19 U2.A20 U2.B8 U2.B18 U2.B19 U2.B20 U2.C18 U2.C19 U2.C20 U4.17 U5.1 U8.1 U8.5 U9.1 U13.1 U13.9 U14.1 U14.5 U15.1 U15.5 U18.2
5V: C6.1 C7.1 C20.1 F1.1 SW4.3 SW4.6 TP4.1 U5.5 U5.8 U11.5 U11.8
